# KiCad board FPGA-BOARDver3.kicad_pcb (continued)
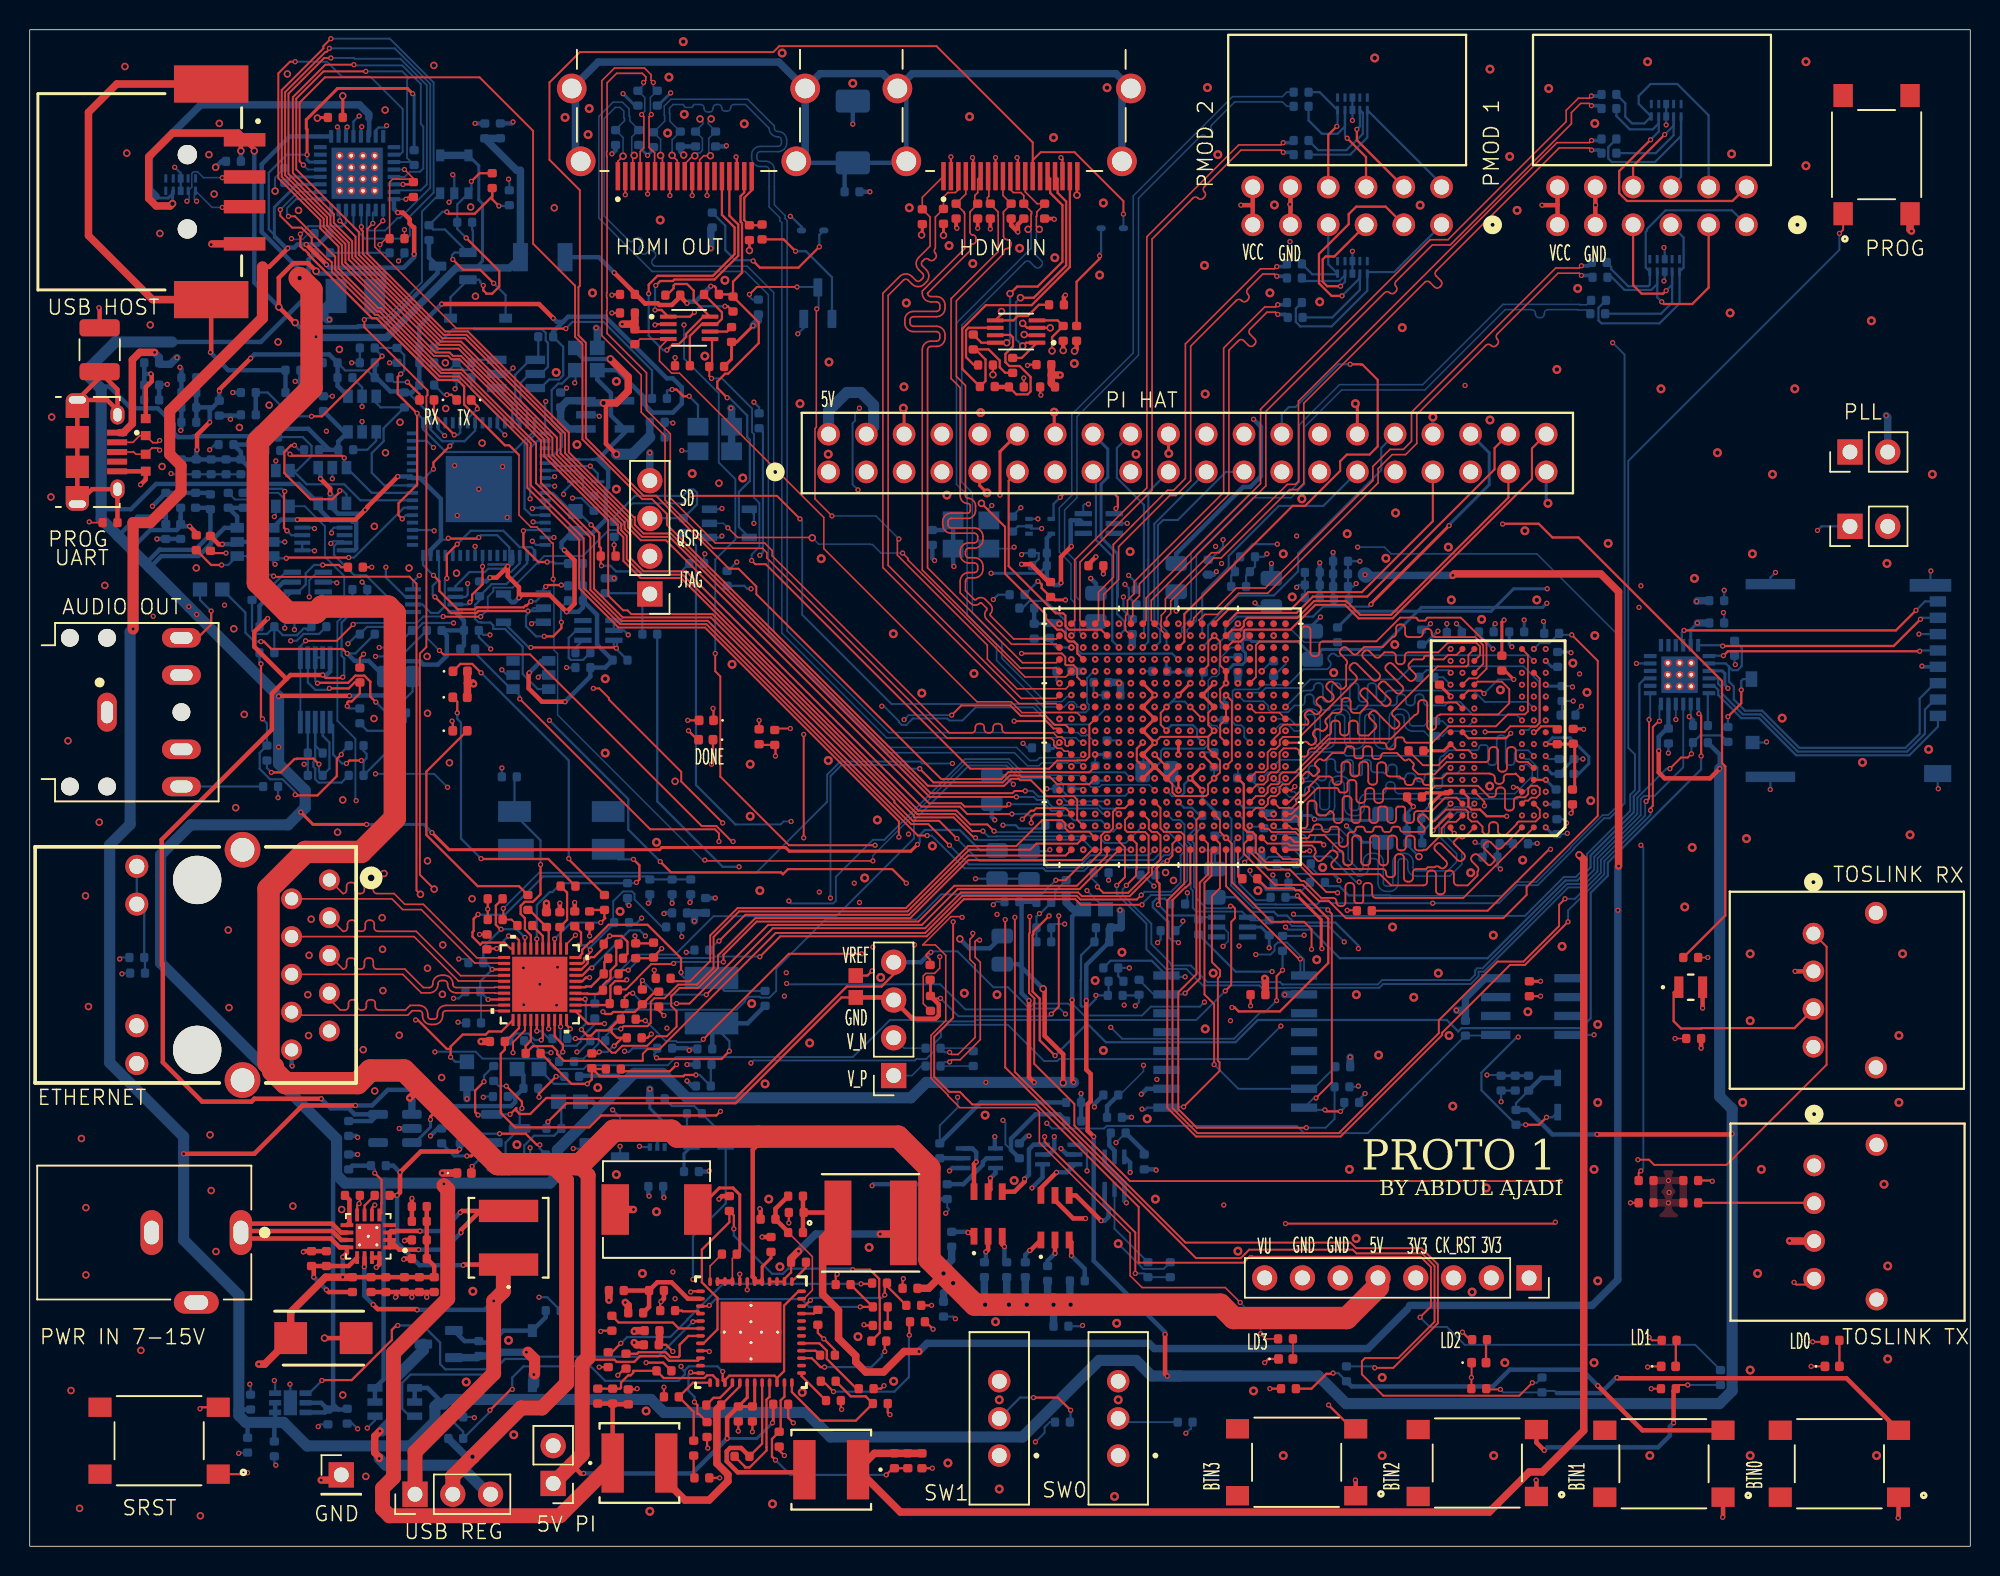
[diagram p0: board, top side]
## Routing (per net, layer and track width the routed paths; a pad name or vN(x,y) marks a point on that pad's centre or on a via; arc(x,y) is an arc through that point) (continued)
AVCC3V3: length 69.9
  Top w0.15: v1(21.05,58.45) 21,58.4 19.9,58.4 v1(19.7,58.6)
  Top w0.3: v1(19.6,30.1) 15.11,30.1 14.91,29.91 11.59,29.91 8.95,32.55 8.95,39.2 ; v1(19.7,58.6) 17.54,58.6 17.27,58.33 ; 17.27,58.33 16.28,57.35 16.28,54.93 8.88,47.52 8.88,39.07 ; 17.27,58.33 15.1,60.5 15.1,61.5 v1(16,62.4)
  Bottom w0.15: C1.1 C2.1 20.98,62.12 20.98,59.89 21.15,59.72 21.15,58.55 v1(21.05,58.45)
  Bottom w0.3: v1(16,62.4) R9.2 15.45,63.24 17.06,64.85 U21.5 ; v1(19.6,30.1) 20.25,29.45 21.45,29.45 21.85,29.05 U15.5 22.98,28.6 C20.1 ; U10.10 20.2,58.84 19.96,58.6 v1(19.7,58.6)
GNDREF: length 443.6
  Top w0.1: J10.5 v1(41.55,90.95) ; C190.1 v1(25.2,88.55) ; C10.1 v1(110.65,34.15) ; v1(4,68.9) 4.05,68.85 R112.2
  Top w0.104: U1.N4 82.43,56.07 84.03,56.07 U1.M1
  Top w0.118: C48.2 93.69,52.53 94.72,52.53 95.34,53.15 IC1.G9
  Top w0.127: J10.2 v1(40.05,90.9) ; v1(108.8,12.05) 108.85,12.1 D5.1 ; v1(22.45,60) 22.2,59.75 C177.2 ; v1(95.8,47.95) 95.55,48.2 IC1.A9 ; R22.2 v1(109.05,10.6) ; D6.1 v1(119.8,12.1) ; 12.25,87.6 v1(12.2,87.55) ; J10.11 v1(44.55,90.85) ; R15.2 v1(96.95,11.35) 96.96,11.36 D4.1 ; J10.8 v1(43.05,90.85)
  Top w0.14: U1.H13 74.45,52.85 74.45,53.65 U1.K13 ; IC1.J2 101.25,54.75 101.65,55.15 102.52,55.15 C5.2
  Top w0.15: v1(83.05,12.35) 83.3,12.6 D1.1 ; C159.1 v1(42.65,10.7) ; v1(50.75,6.1) 50.4,6.45 R104.2 ; v1(42.05,82.15) 42.1,82.2 U8.2 ; v1(51.35,8.3) 51,8.65 C139.2 ; C23.2 67.15,79.47 v1(67.1,79.42) ; C200.2 42.8,13.55 v1(43.25,13.1) ; v1(45.7,13.1) 45.65,13.15 U22.21 ; v1(39.15,82.95) C22.2 ; C140.2 58.7,17.95 v1(58.75,18) ; v1(57.45,10.8) 57.25,10.6 R206.1 ; FL5.1 56.33,38.38 v1(56.65,38.7) ; C143.1 38.45,14.5 v1(38.4,14.45) ; U1.H11 76.45,52.45 v1(75.66,53.24) ; C150.1 56.15,14.85 v1(56.1,14.9) ; C14.2 v1(82.1,36.35) ; R102.1 54.15,13.2 v1(53.4,13.95) 53,14.35 C148.1 ; v1(39.15,84.15) 39.2,84.2 C25.2 ; v1(99.6,54.67) 99.27,54.35 96.75,54.35 IC1.J8 ; R178.1 v1(37.65,41.05) ; J11.2 v1(61.95,93.45) ; J11.11 66.45,93.35 v1(66.4,93.4) ; J11.8 v1(64.95,93.4) ; S2.3 11.55,9.35 v1(11.45,9.25) ; C53.2 v1(30.8,42.85) C62.2 ; R159.2 42.3,36.05 v1(42.65,35.7) ; C11.1 113.1,24.6 v1(113.15,24.55) ; C146.2 40,11.95 v1(39.55,11.5) ; C164.2 40.8,10.55 v1(40.85,10.6) ; C142.2 v1(48.6,7.7) ; C153.1 57.7,9 v1(57.85,8.85) ; C157.1 42.4,16.4 v1(42.45,16.45) ; J11.5 63.45,93.35 v1(63.4,93.4) ; v1(54.3,18.3) 54.2,18.2 C151.1 ; U22.8 47.75,18.3 v1(47.75,18.3) ; v1(103.65,49.3) 103.75,49.4 R20.2 ; U14.6 23.02,22.76 v1(23.2,22.95) ; v1(39.3,67.35) 39.3,66.7 C212.2 ; C152.1 60.25,15.1 v1(60.75,14.6) ; v1(54.6,9.2) 54.55,9.25 C154.1 ; v1(47.5,93.45) 47.55,93.4 J10.17 ; C144.2 v1(47.65,7.75) ; R157.2 41.55,34.2 v1(41.8,34.45) ; IC1.E2 IC1.E1 ; v1(45.85,52.6) 45.95,52.7 PWR1.1 ; C15.2 v1(101.6,37) ; U24.2 66.92,81.45 v2(66.88,81.5) ; U1.G10 U1.F10 ; v1(40.7,41.05) 40.75,41 R158.2 41.9,40.55 C59.2 ; C158.1 v1(46.4,4.6) ; R106.2 42.6,12.35 v1(41.45,12.35) ; C149.1 v1(60.65,16.2) ; U14.8 22.02,22.91 v1(22.15,23.05) 22.2,23.1 C29.2 ; U1.B1 84.77,47.65 85.06,47.37 86.83,47.37 v1(87.02,47.17) ; U22.7 48.25,17.25 v1(48.25,17.25) ; v1(35.4,31.6) 34.25,30.45 v1(34.25,30.2) ; v1(28.4,55.5) 28.45,55.45 D28.1 ; C170.2 v1(51.05,21.75) ; v1(68,77.42) 67.95,77.47 C176.2 ; v1(45.6,6.6) 45.55,6.65 C160.1 ; C24.2 66.85,78.47 ; R21.2 v1(83.4,10.6) ; R23.2 v1(49.05,55.55) ; J11.17 69.45,93.3 v1(69.35,93.4) ; v1(99.33,49.1) 97.98,49.1 97.53,49.55 96.95,49.55 96.75,49.75 96.75,50.35 IC1.D8 ; v1(94.38,48.15) 95.38,49.15 IC1.B9 ; C147.1 v1(38.3,12.05) ; v1(43.4,79.95) 43.39,79.94 C17.2 ; R172.1 v1(30.25,41.15) ; DONE1.2 v1(44.25,55.55) ; U1.H7 U1.J8 ; C156.2 v1(60.7,5.25)
  Top w0.177: R154.1 v2(48.4,87.15)
  Top w0.2: R95.2 94.8,57.94 v1(95.57,57.16) ; v3(89.15,76.85) 89.28,76.72 J14.30 ; v3(68.9,76.28) 68.9,74.86 J14.14 ; v3(64.38,70.85) 63.88,71.34 J14.9 ; J14.6 58.8,76.5 v3(58.75,76.55) ; v1(99.15,62.3) 99,62.15 C35.2 ; C49.2 92.63,50.17 v1(93.05,49.75) ; v3(76.6,73.5) 76.58,73.52 J14.20 ; C187.1 v2(21.05,97.55)
  Top w0.3: J16.5 7.79,72.3 CR7.1 7.8,71.75 v1(7.45,71.4) ; C203.2 4.7,83.25 v1(4.65,83.3) ; C141.2 v1(49.25,20.8) ; P2.11 84.79,90.29 v1(84.75,90.25) 84.79,90.21 P2.5 ; R110.2 49.15,22.65 v1(49.1,22.7) ; v1(46.35,23.35) 46.55,23.55 C145.2 ; U6.2 v1(118.72,38.67) ; C196.2 25.2,19.35 v1(25.15,19.3) ; v2(19.83,14) D37.2 ; 24.65,17.1 24.65,16.8 v1(24.6,16.75) ; 24.65,17.1 C195.2 25.7,17.1 ; 24.65,17.1 C199.2 C198.2 ; 26.7,17.1 v1(26.7,16.75) ; 26.7,17.1 C30.2 ; 26.7,17.1 C194.2 25.7,17.1 ; CR6.1 7.8,77.95 8.2,78.35 8.2,78.8 v1(8.15,78.85) ; U14.15 U14.16 23.52,18.97 v1(23.3,18.75) ; v1(42.45,16.45) 42.65,16.65 R108.2 ; 25.7,17.1 v1(25.7,16.75) ; R89.2 C28.2 18.45,19.85 v1(18.4,19.8) ; v1(25.7,23.4) C193.2 C192.2 ; v1(25.2,20.55) 25.25,20.6 C197.2 ; P1.5 105.29,90.19 v1(105.3,90.2) 105.29,90.21 P1.11
  Top w0.5: v1(126.55,88.45) 126.45,88.55 S1.3 ; J15.04 12.25,87.6 ; C167.2 42.35,13.6 C200.2 ; v1(19.6,4.45) 20.6,4.45 J2.1
  SIGNAL.Cu w0.15: v1(69.24,50.06) 69.24,50.11 v1(68.4,50.95)
  SIGNAL.Cu w0.2: v3(85.55,70.45) 84.2,71.8 J14.25
  Bottom w0.1: C189.1 18.75,88.3 18.35,87.9 17.65,87.9 v1(17.6,87.95) ; C191.1 25.2,86.85 v1(24.8,86.45) ; v1(64.7,70) 64.5,69.8 Y2.2
  Bottom w0.104: U23.2 80.22,41.65 80.6,41.27 80.6,40.7 v1(80.25,40.35)
  Bottom w0.127: C99.2 78.85,58.7 v1(78.85,58.05) ; C54.2 28.85,35.2 v1(28.8,35.25) ; C86.2 82.9,48.4 82.12,48.4 v1(82.06,48.46) ; v3(73.2,20.35) 74.89,18.66 76.26,18.66 R56.1 ; v1(101.94,53.15) 102.15,52.95 C82.2 ; v1(82.85,50.85) 82.2,51.5 R6.1 ; v1(66.8,54) 67.1,53.7 C104.2 ; C188.1 16.5,92.05 v2(16.5,91.15) ; U30.3 v1(110.05,95.6) ; v1(64.8,43.15) 65,43.35 C124.2 ; C39.2 103.1,48.9 v1(103.35,48.65) ; C47.2 v1(103.8,56.85) ; C56.2 43.8,41.05 v1(43.85,41) ; v1(95.56,58.76) 95.4,58.92 93.92,58.92 C46.2 ; C88.2 84.17,45.57 84.25,45.57 84.31,45.51 84.75,45.51 85.04,45.22 87.73,45.22 88.05,44.9 v1(88.05,44.77) 87.63,45.19 86.63,45.19 86.15,45.67 86.15,46 ; C89.2 83.52,59.52 v1(82.85,58.85)
  Bottom w0.14: 76.8,52.1 76.8,51.3 v1(77.27,50.84)
  Bottom w0.15: v1(46.55,67.95) 46.45,67.85 U11.1 ; C174.2 16.45,5.55 v1(16.55,5.45) ; C112.2 C110.2 ; C112.2 85.35,64.65 v1(85.2,64.5) ; C112.2 C95.2 ; U21.2 20.6,64.85 v1(20.65,64.8) ; v1(14.05,6.25) 14.1,6.3 R188.2 ; U3.25 v1(29.95,67.25) ; v1(80.45,59.64) 80.62,59.8 C87.2 ; C61.2 v1(31.75,52.35) ; U42.5 16.55,69.35 v1(16.45,69.25) ; v1(32.2,91.95) 32.25,91.9 R199.2 ; v1(88.95,87.1) U27.3 ; v1(30.5,30.2) 30.55,30.25 C72.2 ; U9.4 23.22,8.47 v1(22.7,7.95) ; U40.1 U40.2 39.95,61.6 v1(40.25,61.3) ; U41.3 33.85,62.15 v1(33.75,62.05) ; C121.2 73.92,63.83 73.92,64.43 v1(73.65,64.7) ; C206.2 C221.2 v1(21.65,79.6) ; v1(80.25,67.7) 80.25,67.22 79.38,66.35 ; v1(33.85,68.9) 33.9,68.85 U3.13 ; v1(22.05,7.9) 21.7,8.25 C173.2 ; U20.6 16.5,11.1 v1(16.45,11.15) ; v1(43.25,75.55) 43.2,75.6 C209.2 C210.2 ; C172.2 19.55,8.2 v1(19.4,8.05) ; U4.4 105.2,34.39 v1(105.2,34.4) ; v1(21.4,60.7) 22.05,61.35 R196.1 22.69,61.83 24.47,61.83 R216.2 ; C119.2 74.86,58.85 v1(74.86,58.85) ; U19.3 41.05,26.85 v1(41,26.9) ; U46.4 19.09,68.51 v1(19.15,68.45) ; C137.2 C113.2 67.7,42.35 v1(67.9,42.55) 67.95,42.55 68.95,43.55 68.95,44.05 C108.2 ; v1(111.6,55.8) 111.7,55.9 U13.2 ; C91.2 88.7,64.5 C117.2 ; C51.2 92.65,47.16 v2(93.42,46.39) ; U17.2 73.79,68.79 v1(73.8,68.8) ; v1(127.85,65.6) 127.83,65.57 J13.P2 ; C3.2 18.7,52.65 ; 18.7,52.65 18.5,52.65 v1(18.45,52.6) ; 18.7,52.65 R193.1 U10.4 ; v1(89.2,64.75) 89,64.55 C117.2 ; R51.2 37.1,70.5 v1(36.5,70.5) ; v1(34.2,58.45) 34.35,58.6 U45.2 ; v1(22.35,76.65) U44.2 22.35,77.95 C228.2 ; C40.2 v1(95.3,62.05) ; C105.2 v1(68.4,50.95) ; U39.2 v1(17.15,67.55) ; Q9.2 52.05,81.95 v1(51.65,81.55) ; U26.23 23.27,95.24 23.45,95.42 23.87,95.42 v1(24,95.55) ; U11.3 46.5,69.75 v1(46.55,69.8) ; CR5.2 43.9,73.65 v1(43.85,73.7) ; U29.3 109.95,85.15 v1(109.9,85.1) ; v1(34.25,16.75) 34.8,16.75 R84.2 ; v1(31.75,58.95) 32.1,58.6 U45.5 ; R217.2 28.7,77.95 v1(28.6,77.85) ; C55.2 28.85,36.85 v1(28.5,36.85) ; C47.2 103.05,56.2 102.75,55.9 ; C102.2 71.55,57.35 v1(71.65,57.25) C122.2 ; v1(29.9,8.65) 29.85,8.7 R86.2 ; C226.2 C224.2 C218.2 C216.2 C217.2 9.55,72.1 v1(9.5,72.15) ; Q8.2 v1(39.7,26.9) ; v1(71.1,25.25) 71.1,26.55 70.64,27.01 U32.4 ; v1(32.5,79.25) 32.1,78.85 U37.2 ; R198.2 18.45,77.35 C229.2 v1(20.35,77.35) ; v1(19.15,66.95) 19.11,66.99 U46.1 U46.2 ; v1(27.2,68.3) 27.15,68.35 U3.35 ; R37.1 89.3,30.9 v1(89.35,30.95) ; U3.15 v1(35.25,67.85) ; v1(81.24,62.06) 80.85,61.66 C98.2 ; v1(14.8,10.9) 14.85,10.85 C171.2 ; v1(128.35,50.95) 128.31,50.99 J13.P1 ; U44.5 v1(22.35,75.65) ; v1(38.3,76) 38.2,76.1 U36.2 ; C117.2 C127.2 C109.2 v1(89.45,66.25) ; v1(6.05,39.5) 6.15,39.6 C66.2 ; C213.2 45.35,66.7 v1(45.4,66.75) ; C31.2 C19.2 ; C130.2 67.15,44.9 C132.2 v1(63.6,44.9) ; J13.9 116.76,54.06 v1(116.8,54.1) ; R38.1 89.4,30.05 v1(89.8,30.45) ; C116.2 71.7,40.75 C93.2 70.7,39.75 70.7,38.1 70.67,38.07 70.67,36.38 70.75,36.3 71.18,36.3 71.7,36.82 v1(71.7,37.05) R39.1 72.55,37.1 R41.1 ; v1(83.9,67.4) 82.25,67.4 C94.2 81.05,66.2 C96.2 80.8,65.3 C111.2 ; v1(73.23,54.07) 73.1,54.2 C106.2 ; U29.8 109.95,87.3 v1(109.9,87.35) ; J13.6 v1(127.05,61.35) ; C123.2 68.08,48.27 66.52,48.27 66.3,48.5 v1(65.45,48.5) ; C101.2 67.6,61.1 C103.2 68.6,60.9 69.05,60.45 v1(70.05,60.45) ; v1(73.55,63.85) 73.55,62.95 C100.2 ; v1(82.06,48.46) 82,48.4 82,47.65 ; U43.2 v1(20.35,71.8) ; v1(26.2,65.3) 25.78,64.88 U47.4 ; C57.2 29.25,39.5 v1(28.85,39.5) ; 40.3,41.9 40.8,41.9 v1(41.15,42.25) ; U38.2 38.2,72.15 v1(37.7,72.65) 35.39,72.65 35.19,72.85 U3.5 ; C7.2 70.75,14.8 v1(70.8,14.85) ; v1(48.7,76.95) 49.05,76.6 C184.1 ; v1(9.75,92.75) 10.15,92.35 U35.8 U35.3 ; C76.2 67.85,66.4 67.85,66.8 66.8,66.8 v1(66.7,66.7) ; U30.8 U30.3 ; C97.2 78.68,49.15 78.16,49.67 77.63,49.67 v1(77.25,50.05) ; C63.2 v1(110.2,53.35) ; C114.2 79,53.4 v1(78.85,53.24) ; U3.1 34.66,76.96 v1(34.7,77) ; R10.2 19.47,61.36 18.42,61.36 17.95,60.9 v1(17.55,60.9) ; C204.2 v1(24.2,79.6) ; C107.2 72.36,51.5 v1(72.49,51.63) ; v1(27.15,73.9) 26.7,74.35 U3.47 ; v1(113.9,62.8) 113.95,62.75 C79.2 ; C73.2 34.2,30.25 v1(34.25,30.2) ; J13.P4 117.06,65.16 v1(117.4,65.5) ; 77.1,63.1 v1(77.1,62.9) ; C120.2 69.05,58.24 v1(69.25,58.04) ; C77.2 66.1,69.3 v1(66.65,69.85) ; C215.2 v1(36.1,59.1) ; J13.P3 117.06,50.91 v1(117.05,50.9) ; C80.2 v1(113.95,64.3) ; v1(28.45,92.25) 28.55,92.15 U25.2 28.55,90.75 v1(28.2,90.4) ; v1(17.5,10.9) 17.53,10.87 U20.7 ; R197.2 v1(16.7,50.35) ; v1(98.95,29.9) C8.2 R19.2 ; U3.51 27.45,75.15 v1(27.9,74.7) ; R47.1 v1(39.3,67.35) ; C6.2 62.1,15.45 v1(62.25,15.3) ; U28.8 U28.3 v1(88.95,95.9) ; R181.1 6.25,38.55 v1(6.2,38.5) ; C21.2 v1(35.4,31.6) ; U18.3 v1(67.8,69.1) ; C129.2 C92.2 78.9,46.8 v1(78.85,46.85) ; U42.2 v1(16.55,73) ; U23.2 80.2,41.65 ; U3.10 U3.11 33.85,69.85 v1(33.8,69.8) ; C50.2 93.85,61.65 ; C2.2 C1.2 22.7,64.5 v1(22.35,64.85) ; v1(108.05,59.38) U13.11
  Bottom w0.2: v1(98.55,62.05) 98.45,61.95 C41.2 ; v1(98.9,45.55) 98.7,45.75 C45.2 98.7,47.1 C37.2 C38.2 ; v1(86.8,62.5) 86.25,61.95 C138.2 ; v1(79.65,55.65) 79.72,55.57 C4.2 ; C131.2 86.15,49.15 v1(86.4,48.9) 88.67,48.9 88.74,48.82 90.57,48.82 C85.2 ; C43.2 103.6,60.15 v1(103.65,60.1) ; J14.39 101.98,70.27 v3(102.1,70.15) ; C135.2 65.55,51.85 v1(66.15,51.25) ; C136.2 82.65,63.2 v1(82.4,63.45) ; v3(94.36,75.95) J14.34 ; v1(93.05,49.75) 92.6,49.3 C83.2 92.6,47.35 C51.2 ; v1(94.2,62.05) 93.8,61.65 C50.2 ; C42.2 102.6,50.9 v1(101.95,51.55) ; v1(101.8,62.2) 101.85,62.15 R96.2 ; C44.2 v1(100.5,62.3)
  Bottom w0.3: 7.7,78.85 v1(8.15,78.85) ; 7.7,78.85 C219.2 C220.2 ; 7.7,78.85 C208.2 ; R64.1 v1(74.1,28.85) ; v1(26.95,27.6) 27.45,28.1 C19.2 ; R202.1 32.4,95.7 v1(32.5,95.8) ; C9.2 60.7,66.45 v1(60.85,66.3) ; U33.1 72.29,25.76 73.61,24.44 U33.4 73.61,23.24 v1(73.75,23.1) ; v1(10.15,75.05) 10.2,75.1 C211.2 C214.2 ; v1(40.3,43.1) 40.2,43.2 C60.2 ; C223.2 18.7,79.6 C181.2 18.2,78.35 ; C69.2 44.45,43.35 v1(44.4,43.3) ; v1(8.25,69.95) C227.2 12.05,70.85 C231.2 ; v1(74.75,30.4) 75.12,30.77 U7.10 ; v2(12.5,92.75) 12.9,93.15 C185.1 ; C67.2 v1(46.1,43.6) ; C225.2 C222.2 v1(8.55,67.75) ; R87.2 v1(22.05,26.35) ; v1(111.6,55.8) 111.85,55.55 R179.1 ; C70.2 v1(43.2,43.25) ; C68.2 42.7,42.6 v1(42.65,42.55) ; C64.2 44.2,33.5 v1(44.35,33.35) 44.45,33.45 C65.2 ; C134.2 71.7,64.75 v1(71.35,65.1) ; U31.4 64.9,26.81 v1(64.9,27.55) ; C125.2 64.57,40.22 63.18,40.22 v2(62.55,40.85) ; v1(13.5,75.8) 13.45,75.85 13.45,76.05 ; C71.2 41.7,43.35 v1(41.6,43.25) ; v1(45.7,25.25) 45.65,25.2 C81.2 ; v1(42.65,23.45) 42.6,23.5 C33.2 ; v1(75.75,25.3) 75.7,25.35 R55.1 ; R153.1 v1(56.5,91.1) ; v1(44.2,31.3) 44.55,30.95 C75.2 ; v1(61.85,25.25) 62.04,25.44 U31.1 ; R66.1 56.75,24.35 v1(56.65,24.25) ; C20.2 21.95,27.6 v1(22.05,27.5) ; 13.45,76.05 14.15,76.05 C205.2 ; 13.45,76.05 C230.2 ; 18.2,78.35 R198.2 ; 18.2,78.35 v1(17.85,78.35) ; v1(29.95,95.7) 30.59,95.7 C186.1 ; v1(67.4,24.1) 68.11,24.81 U32.1 ; v1(70.7,30.45) R65.1 R57.1 ; v1(17.65,32.3) 17.61,32.34 J12.10 ; C207.2 v1(13.65,77.6) ; C201.2 C202.2 10.2,79.2 v1(10.1,79.3) ; U15.2 v1(24.85,28.1) ; C74.2 v1(44.2,32.4) ; C52.2 v1(55.35,95.65) ; C133.2 77.1,63.1
  Bottom w0.5: C180.2 19.85,83.35 19.85,82.65 20,82.5 v1(20.15,82.5)
  vias: v1(28.57,72.69) v1(28.75,69.33) v1(30.2,71.1) v1(31.8,72.62) v1(32.11,69.19) v1(33.2,38.9) v1(33.22,36.42) v1(34.3,37.8) v1(35.49,38.95) v1(35.43,36.39) v1(43.4,16.65) v1(65.05,42.5) v1(66.85,78.57) v1(70.05,52.45) v1(70.86,54.87) v1(70.85,46.85) v1(71.66,49.25) v1(72.47,59.64) v1(73.25,62.05) v1(74.07,56.45) v1(74.05,48.45) v1(74.86,57.25) v1(74.85,55.64) v1(74.86,54.08) v1(75.65,61.26) v1(75.67,58.07) v1(75.64,56.48) v1(75.63,54.86) v1(75.65,51.65) v1(76.46,57.27) v1(76.45,55.62) v1(76.44,54.08) v1(76.43,47.65) v1(77.25,56.45) v1(77.24,55.65) v1(78.05,60.46) v1(78.03,57.24) v1(78.05,55.64) v1(78.04,52.44) v1(78.05,48.45) v1(78.85,56.43) v1(78.88,54.84) v1(79.65,58.84) v1(79.68,57.27) v1(79.63,54.03) v1(79.65,50.86) v1(81.26,54.04) v1(82.05,56.48) v1(83.65,61.25) v1(83.65,53.25) v1(84.75,87.75) v1(85.2,67.95) v1(95.56,60.35) v1(95.56,53.16) v1(95.55,52.36) v1(96.35,53.15) v1(96.33,51.55) v1(100.36,49.16) v1(101.14,54.75) v1(101.95,60.35) v1(101.95,58.75) v1(101.97,57.16) v1(101.95,50.75) v1(101.95,49.14) v2(1.48,75.95) v2(1.42,70.57) v2(2.57,54.18) v2(2.78,10.47) v2(3.35,2.55) v2(3.48,27.42) v2(3.75,43.75) v2(3.78,22.78) v2(3.78,18.25) v2(3.95,36.3) v2(4.67,48.7) v2(5.05,64.62) v2(6.4,99.52) v2(6.53,93.7) v2(7.48,13.17) v2(8.1,82.15) v2(8.75,88.3) v2(8.9,72.62) v2(11.2,65.8) v2(11.48,2.05) v2(12.05,93.6) v2(12.12,27.67) v2(12.2,23.92) v2(12.4,90.95) v2(12.53,19.82) v2(12.75,95.7) v2(13.35,41.45) v2(13.4,36.23) v2(13.72,61.71) v2(13.85,49.67) v2(14.1,75.25) v2(14.42,55.95) v2(16.1,76.75) v2(16.7,81) v2(17.33,99.02) v2(17.69,22.88) v2(18.08,89.85) v2(18.78,39.75) v2(18.7,37.1) v2(18.75,34.35) v2(18.92,42.17) v2(20.7,48.02) v2(20.83,80.5) v2(20.98,22.65) v2(21.05,50.2) v2(21.05,10.17) v2(22.42,33.4) v2(22.6,4.7) v2(23.17,68.6) v2(23.15,55.67) v2(23.2,30.62) v2(23.7,42.27) v2(23.73,40.15) v2(23.75,37.38) v2(23.83,45.25) v2(23.9,96.6) v2(23.92,73.55) v2(24.85,34.38) v2(24.9,75.6) v2(25.51,65.79) v2(26.73,59.85) v2(26.75,56.02) v2(26.75,46.1) v2(26.75,38.88) v2(27.17,99.6) v2(27.78,40.45) v2(27.75,37.12) v2(27.7,31.52) v2(27.95,79.6) v2(27.98,76.52) v2(28.23,52.7) v2(28.7,65.45) v2(29.65,90.07) v2(29.75,43.55) v2(29.98,84.07) v2(30.42,74.2) v2(35.28,90.02) v3(29.35,11.05) v3(29.8,17.15) v3(32.2,13.85) v3(32.55,7.5) v3(32.76,27.01) v3(35.4,78.95) v3(36,96.1) v3(36.8,74.1) v3(37.55,94.95) v3(37.62,96.7) v3(37.84,84.3) v3(38.2,30.85) v3(38.7,58.35) v3(38.7,53.35) v3(39.45,78.35) v3(39.45,71.1) v3(39.45,25) v3(39.7,42.7) v3(41.2,18.35) v3(41.45,9.1) v3(41.7,2.35) v3(42.15,47.35) v3(42.15,22.5) v3(42.4,89.2) v3(42.99,98.81) v3(42.9,95.05) v3(43.95,101.2) v3(44.02,96.31) v3(44.55,72.15) v3(45.4,80.05) v3(46.75,85.15) v3(47.23,59.32) v3(47.95,71.85) v3(48.05,95.67) v3(48.45,52.6) v3(48.45,49.1) v3(48.55,36.5) v3(49.1,44.1) v3(49.45,31.1) v3(49.7,23.35) v3(49.95,2.85) v3(50.45,18.8) v3(50.6,100.43) v3(51.8,76.85) v3(51.95,10.35) v3(52.45,33.85) v3(53.23,66.42) v3(53.75,79.65) v3(53.7,73.45) v3(53.7,52.85) v3(55.35,98.4) v3(55.7,14.1) v3(56.15,44.95) v3(56.45,20.1) v3(57,48.85) v3(57.23,38.26) v3(58.08,61.38) v3(58.1,11.1) v3(58.79,77.98) v3(58.95,83.62) v3(59.15,90.03) v3(59.99,57.38) v3(60.7,47.1) v3(61.68,70.7) v3(61.75,5.6) v3(61.83,87.47) v3(62.85,37.2) v3(63.2,96.15) v3(63.42,86.27) v3(63.5,58.7) v3(63.95,76.25) v3(64.25,29) v3(64.95,15.1) v3(65.05,37.1) v3(65.2,9.85) v3(65.2,3.85) v3(66.2,24.6) v3(66.57,87.3) v3(68.85,94.75) v3(68.93,86.67) v3(70.25,79.55) v3(71.65,38.05) v3(71.95,85.5) v3(72.2,90.35) v3(72.2,33.35) v3(72.45,98.1) v3(72.95,3.35) v3(73.1,15) v3(73.2,9.85) v3(73.45,39.95) v3(74,66.9) v3(74.4,73.45) v3(75.15,28.75) v3(75.7,23.35) v3(79,86.15) v3(79.05,77.5) v3(79.05,34.8) v3(79.2,98.11) v3(79.59,38.55) v3(79.9,93.6) v3(81.25,19.85) v3(82.3,10.45) v3(82.59,44.1) v3(83.4,84.3) v3(83.7,90.22) v3(84.3,66.75) v3(84.3,6.1) v3(84.9,63.85) v3(86.55,39.45) v3(86.75,83.7) v3(86.95,45.66) v3(87.69,58.76) v3(88.6,68.1) v3(88.75,25.35) v3(89.2,20.7) v3(89.21,37.1) v3(90.45,100.1) v3(90.71,33.03) v3(90.95,11.35) v3(90.95,6.1) v3(91.2,66.45) v3(91.65,41.65) v3(91.8,60.65) v3(91.85,69.5) v3(92.3,81.96) v3(93.08,36.92) v3(93.5,90.2) v3(94.73,38.55) v3(95.4,67.2) v3(95.45,34.35) v3(95.6,63.65) v3(95.7,29.6) v3(96.9,45.3) v3(97,17.1) v3(97.64,62.34) v3(97.95,24.1) v3(98.2,99.35) v3(98.2,75.75) v3(98.18,51.13) v3(98.42,41.1) v3(98.45,6.1) v3(98.9,57.6) v3(99.2,12.35) v3(99.52,93.47) v3(100.02,89.85) v3(100.4,46.15) v3(100.55,68.3) v3(100.75,35.95) v3(101.35,63.65) v3(102.15,98.05) v3(102.7,79.15) v3(103.05,40.35) v3(103.77,59.4) v3(104.1,84.6) v3(104.72,57.43) v3(104.98,50.15) v3(105.2,25.35) v3(105.2,12.35) v3(105.25,95.7) v3(105.25,61.25) v3(105.45,35.1) v3(105.45,29.85) v3(105.45,17.85) v3(106.15,67.45) v3(108.8,99.85) v3(108.95,6.1) v3(109.7,77.85) v3(111.3,43) v3(111.8,47) v3(111.95,65.1) v3(113.5,73.55) v3(114.35,82.95) v3(114.45,93.65) v3(115.2,29.85) v3(115.45,47.6) v3(115.7,39.85) v3(115.7,35.35) v3(115.7,11.85) v3(115.7,6.1) v3(115.85,66.75) v3(116.2,18.35) v3(116.45,25.35) v3(117.2,72.1) v3(117.85,55.7) v3(118.7,77.85) v3(119.45,99.85) v3(119.45,92.85) v3(123.25,52.72) v3(123.85,82.42) v3(124.2,6.1) v3(124.7,24.35) v3(124.9,66.1) v3(124.95,18.85) v3(124.95,12.6) v3(125.7,34.35) v3(125.7,29.85) v3(125.95,39.85) v3(126.45,47.85) v3(127.7,53.6) v3(127.95,72.1)
VBUS: length 134.4
  Top w0.3: v2(38.59,76.9) 38.75,76.73 38.75,74.15 v2(39.45,73.45)
  Top w0.5: v2(38.59,76.9) 39.45,76.9 40.25,77.7 40.25,78.65 v2(39.05,79.85) ; v1(33.4,13.05) 33.5,13.05 ; 33.95,11.6 v1(33.9,11.55)
  Top w0.75: 33.5,13.05 33.95,12.6 33.95,11.6
  SIGNAL.Cu w0.75: v1(8.3,62.55) 9.23,63.47 9.23,68.03 16.25,75.05 19.9,75.05 v1(19.95,75)
  SIGNAL2.Cu w0.75: v1(8.3,62.55) 8.3,60.45 8.85,59.9 12.65,59.9 16.33,56.22 16.33,55.37 16.06,55.11 16.06,53.47 16.99,52.54 17.41,52.54 21.95,48 21.95,35.7 33.25,24.4 33.25,13.2 v1(33.4,13.05) ; v2(39.45,73.45) 39.25,73.45 37.1,75.6 27.85,75.6 27.07,74.82 20.12,74.82 v1(19.95,75)
  Bottom w0.15: 37.4,79.9 U36.3
  Bottom w0.3: v2(39.05,79.85) 37.25,79.85 36.7,80.4 FL7.2
  Bottom w0.5: Q7.2 30.09,12.69 C27.1 31.2,12.8 R83.1 31.65,13.05 v1(33.4,13.05) ; U36.1 36.24,75.15 35.7,75.69 R218.2 36.15,77.05 U36.3 37.55,76.9 v2(38.59,76.9) ; 33.9,10.9 CR4.1 ; C210.1 C209.1
  Bottom w0.75: v2(39.45,73.45) 40.55,73.45 C210.1 ; v1(33.9,11.55) 33.9,10.9
VCC1V8_IO: length 397
  Top w0.1: v1(25.3,90.6) 25.45,90.75 R204.2
  Top w0.2: v1(18.65,93.6) 18.65,95.3 18.6,95.35 18.6,95.95 20.7,98.05 25.4,98.05 v1(25.75,97.7)
  Top w0.3: v1(10.35,26.4) 15.1,26.4 18.35,29.65 v1(21.9,29.65) ; v1(105.4,27.7) 114.44,27.7 v1(114.48,27.75) ; v1(24.75,89.7) 25.1,89.7 25.55,89.25 25.55,88.96 25.81,88.7 25.85,88.7 v1(25.85,86.9) ; v1(109.55,53.5) 109.55,52.05 109.95,51.65 113,51.65 v1(113.65,52.3) ; v1(18.6,87.56) 19.96,86.2 v1(19.95,86.2) ; v1(71.55,27.55) 71.15,27.95 71.15,29.74 71.35,29.94 71.35,31.76 71.05,32.06 v1(71.05,36.7) ; v1(76.5,11.45) 76.35,11.6 v1(76.35,14.25) ; v1(17.35,87.3) 16.1,86.05 15.65,86.05
  Top w0.75: v1(6.95,61.7) 6.95,68.85 8.1,68.85 10.17,70.92 10.17,72.68 9.41,73.44 9.41,76.36 15.65,82.6 15.65,86.05
  SIGNAL2.Cu w0.15: v1(72.45,47.66) 71.26,46.47 69.27,46.47 69.25,46.45 68.85,46.85 v1(68.6,46.85)
  Bottom w0.1: v1(25.3,90.6) U26.32
  Bottom w0.127: v1(75.6,44.4) 74.85,45.15 R43.1
  Bottom w0.15: v1(17.35,87.3) 16.08,88.57 16.08,92.38 17.29,93.6 v1(18.65,93.6) ; v1(68.6,46.85) 68.5,46.75 C130.1 ; R183.2 99.95,29.8 R18.1
  Bottom w0.2: v1(25.75,97.7) 25.85,97.6 R203.2 ; U26.11 17.98,91.6 16.45,90.07 16.45,88.05 17.2,87.3 v1(17.35,87.3) ; v1(18.65,93.6) 18.65,93.25 18.8,93.1 U26.14
  Bottom w0.3: 14.06,9.15 14.12,9.2 C171.1 ; U26.32 24.49,89.96 v1(24.75,89.7) ; C174.1 16.45,8.28 16.5,8.34 U20.4 U20.5 ; C72.1 32.65,30.25 ; 32.65,30.25 C73.1 33.2,31.68 FL4.1 ; 32.65,30.25 32.65,29.88 32.37,29.6 26.81,29.6 25.71,30.7 24.08,30.7 23.03,29.65 v1(21.9,29.65) ; v1(71.05,36.7) 71.05,39.1 C93.1 ; U13.5 110.2,55.1 109.55,54.45 v1(109.55,53.5) ; v1(19.95,86.2) 20.15,86 25.15,86 25.85,86.7 v1(25.85,86.9) ; v1(105.4,27.7) 102.4,27.7 100.75,29.35 R183.2 ; R18.1 101.65,31.5 CR1.1 ; U9.2 U9.1 26.75,10.65 27.83,9.57 ; C189.2 19.41,87.56 v1(18.6,87.56) 18,87.56 17.79,87.35 17.4,87.35 v1(17.35,87.3) ; v1(113.65,52.3) 113.65,53.25 R185.2 ; R188.1 14.65,8.22 14.53,8.33 ; v1(71.55,27.55) 71.55,19.2 76.35,14.4 v1(76.35,14.25)
  Bottom w0.5: v1(73.33,42.77) 73.4,42.7 73.4,41.6 C116.1 72.6,41.5 C93.1
  Bottom w0.75: v1(76.5,11.45) 77.33,11.45 ; 77.33,11.45 86.67,11.45 88.52,9.59 113.63,9.59 114.48,10.45 v1(114.48,27.75) 114.48,29.41 113.65,30.25 v1(113.65,52.3) ; 77.33,11.45 75.45,11.45 74.4,12.5 71.92,12.5 66.77,7.35 53.85,7.35 52.2,9 42.65,9 41.77,9.88 28.14,9.88 27.83,9.57 27.42,9.57 27.25,9.4 27.25,8.4 25.6,6.75 18.65,6.75 17.07,8.33 14.53,8.33 14.06,8.8 14.06,16.89 10.35,20.6 v1(10.35,26.4) 10.35,27.55 5.38,32.53 5.38,47.17 6.75,48.55 6.75,61.5 v1(6.95,61.7)
  vias: v1(73.25,50.04) v1(74.86,46.84) v1(75.64,49.23)
VCC1V8_IO_DLY: length 87.1
  Top w0.15: v1(100.6,28.35) 101.5,28.35 v1(102,28.85)
  SIGNAL2.Cu w0.2: v1(68.05,68.45) 70.52,68.45 72.27,70.2 73.22,70.2 74.37,69.05 91.59,69.05 91.64,69 93.46,69 93.66,69.2 97.83,69.2 103.08,63.95 103.45,63.95 107.42,59.98 107.42,40.57 101.1,34.25 v1(100.1,34.25)
  Bottom w0.15: CR1.2 102.4,28.85 v1(102,28.85) ; C77.1 66.45,68.6 U18.2 67.35,68.45 v1(68.05,68.45) ; v1(100.1,34.25) 100.02,34.25 97.63,31.86 97.63,30.67 R183.1 v1(100.6,28.35)
VCC1V8_IO_EDGE: length 6.9
  Top w0.15: v1(69.3,70.55) 69.52,70.77 72.96,70.77 73.17,70.56 73.17,69.92 v1(73.05,69.8)
  Bottom w0.15: v1(69.3,70.55) 68.85,70.1 68.85,69.15 68.8,69.1 ; v1(73.05,69.8) 73.05,69.57 U17.1
VCCPLL: length 18.5
  SIGNAL.Cu w0.127: v1(69.6,41.85) 69.75,42 69.75,42.75 v1(71.1,44.1) 71.1,44.42 73.91,47.22 74.43,47.22 76.08,48.87 76.08,49.43 76.29,49.64 76.59,49.64 76.89,49.94 76.89,50.2 77.1,50.41 78.2,50.41 78.45,50.66 78.45,51.24 v1(78.85,51.64)
  Bottom w0.127: C113.1 68.95,41.85 v1(69.6,41.85) ; v1(71.1,44.1) FL1.1
  Bottom w0.15: C137.1 C113.1
VDDD: length 28.2
  Top w0.15: v1(47.35,21.35) 47.35,22.25 C145.1 47.05,21.8 45.2,19.95 45.2,17.76 46.25,16.71 46.25,14.59 45.31,13.65 U22.20 ; R99.2 57.17,14.36 57.17,16.7 57.13,16.74 57.13,17.98 56.51,18.6 v1(55.35,18.6)
  Bottom w0.15: v1(55.35,18.6) 55.25,18.6 55.17,18.67 51,18.67 50.65,18.32 49.92,18.32 47.35,20.9 v1(47.35,21.35)
/POWER_REGULATION/VUSB: length 17.7
  Top w0.5: v1(23.55,7.75) 23.2,7.4 23.2,6.3 23.5,6 v1(23.5,5.9)
  Bottom w0.5: v1(23.55,7.75) 23.68,7.75
  Bottom w0.75: 23.68,7.75 24.45,8.52 24.45,11.18 26.47,13.2 Q7.3 ; J3.3 30.87,3.5 28.92,5.45 23.95,5.45 v1(23.5,5.9)
/USB_JTAG_PROGRAMMING/ACBUS4/OE_R: length 12.9
  Top w0.15: v1(35.75,64.65) 34.8,64.65 v1(34.7,64.55) ; v1(27.15,65.3) 27.55,64.9 27.55,64.25 28.79,63.01 29.93,63.01 30.07,63.15 33.22,63.15 33.34,63.27 33.42,63.27 v1(33.7,63.55)
  Bottom w0.15: U3.32 26.45,66 v1(27.15,65.3) ; v1(33.7,63.55) 34.04,63.55 U41.1 34.54,64.39 v1(34.7,64.55) ; R212.2 36.15,64.65 v1(35.75,64.65)
/USB_JTAG_PROGRAMMING/ACBUS5/SRSTn: length 18
  Top w0.15: v1(35.75,62.15) 35.75,61.75 35.2,61.2 v1(34.6,61.2) ; v1(33.5,62.9) 30.17,62.9 30.03,62.76 28.34,62.76 v1(27.25,63.85)
  Bottom w0.15: v1(35.75,62.15) 35.73,62.17 35.73,63.12 R213.2 ; v1(34.6,61.2) 34.05,61.2 33.38,61.88 33.38,62.6 33.88,63.1 U41.2 34.34,62.9 v1(33.5,62.9) ; U3.30 27.53,66.56 27.53,65.02 27.1,64.6 27.1,64 v1(27.25,63.85)
/USB_JTAG_PROGRAMMING/ADBUS0/TCK: length 16.1
  SIGNAL2.Cu w0.15: v1(20.3,68.15) 20.53,67.92 27.38,67.92 27.7,68.25 30.4,68.25 30.45,68.2 30.45,68.15 31,67.6 v1(33.8,67.6)
  Bottom w0.15: U3.16 34.05,67.35 v1(33.8,67.6) ; v1(20.3,68.15) 20.3,68.35 20.46,68.51 U46.5
/USB_JTAG_PROGRAMMING/ADBUS1/TDI: length 13.6
  Top w0.15: v1(28.75,67.4) 28.05,66.7 v1(28.05,65.1)
  Bottom w0.15: U47.2 26.4,63.35 26.98,62.77 27.47,62.77 27.91,63.21 27.91,64.96 v1(28.05,65.1) ; U3.17 33.95,66.99 33.75,67.19 32.96,67.19 31.85,68.3 29.65,68.3 v1(28.75,67.4)
/USB_JTAG_PROGRAMMING/ADBUS2/TDO: length 14.4
  Bottom w0.15: U45.3 34.17,57.65 33.15,58.67 33.15,60.5 31.95,61.7 31.19,61.7 31.17,61.72 31.17,61.93 30.98,62.12 30.38,62.12 30.35,62.15 30.17,62.15 29.95,62.37 29.95,63.32 30.25,63.62 R229.1 31.06,64.71 32.05,64.71 33.45,66.11 U3.18
/USB_JTAG_PROGRAMMING/ADBUS3/TMS: length 5.9
  Bottom w0.15: U47.5 28.62,64.57 29.58,65.52 30.61,65.52 30.83,65.75 31.77,65.75 31.99,65.52 32.36,65.52 32.95,66.11 U3.19
/USB_JTAG_PROGRAMMING/ADBUS7/OE: length 29.7
  Top w0.15: v1(29.6,63.5) 29.75,63.65 29.75,64 30.45,64.7 v1(30.45,65.9)